# Altium PCB e-VEREST.PcbDoc (part 2 of 3)
Units mm, origin at the board's own origin, x right, y up, seen from the top; angles counter-clockwise.
Board outline 40 x 16 mm, 6 copper layers (Top Layer, InLayer1 (GND), InLayer2 (Signal), InLayer3 (PWR), InLayer4 (GND), Bottom Layer), stack 1.567 mm thick; 132 components, 181 nets, 912 pads, 411 vias.
Unrouted connection lines stored in the file: 2.
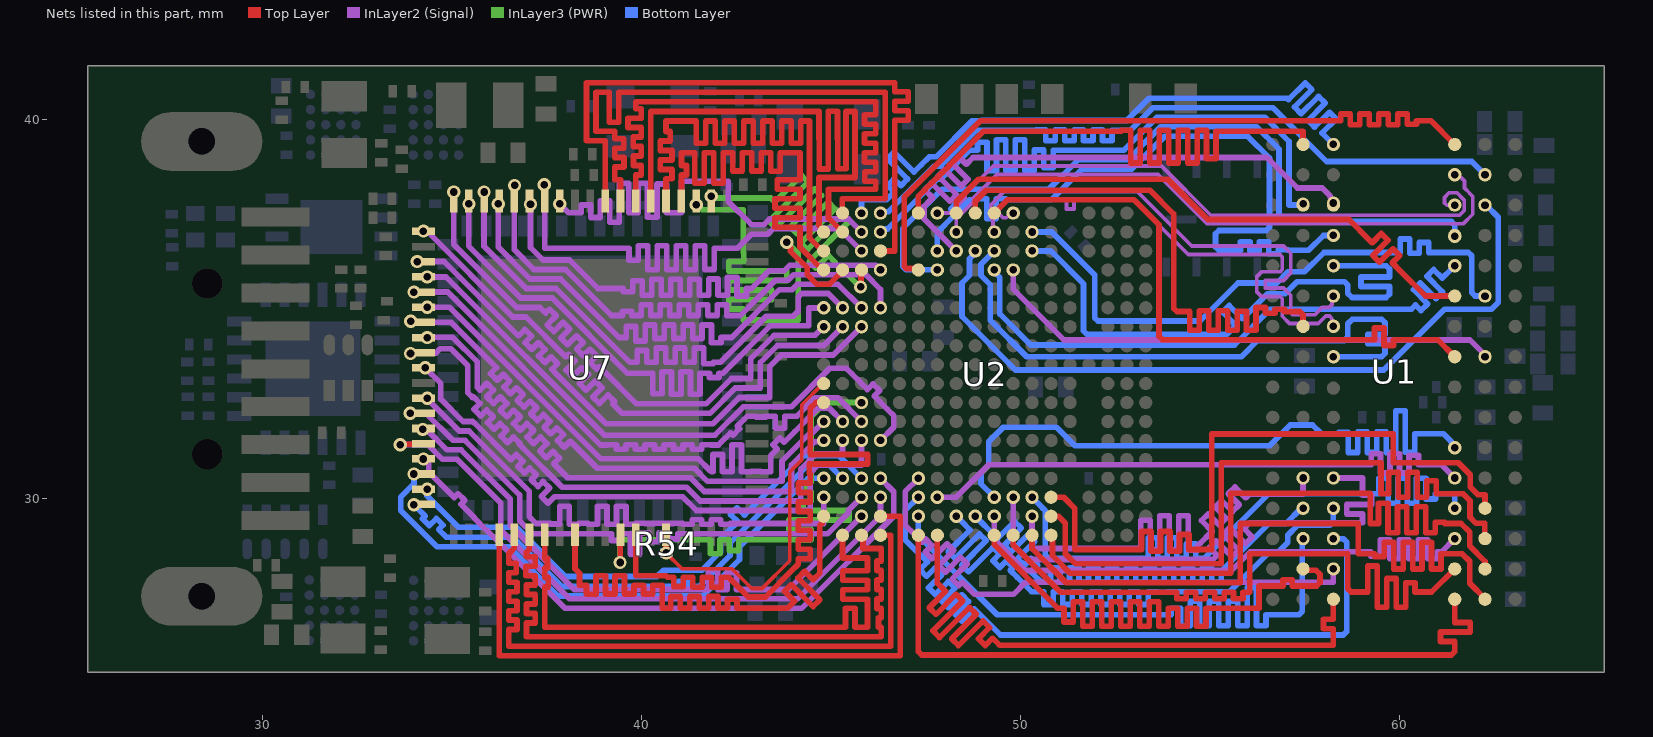
[diagram p6: the nets of this part, all layers, seen from the top]

## Via types
v1: diameter 0.35/0.2/0.2/0.2/0.2/0.35 (per signal layer), hole 0.2, Top Layer to Bottom Layer, tented both sides, 112 vias
v2: diameter 0.35/0.2/0.35/0.2/0.2/0.2 (per signal layer), hole 0.2, Top Layer to Bottom Layer, tented both sides, 80 vias
v3: diameter 0.35/0.2/0.35/0.35/0.2/0.35 (per signal layer), hole 0.2, Top Layer to Bottom Layer, tented both sides, 53 vias
v4: diameter 0.35/0.2/0.2/0.35/0.2/0.35 (per signal layer), hole 0.2, Top Layer to Bottom Layer, tented both sides, 41 vias
v5: diameter 0.35/0.2/0.2/0.35/0.2/0.2 (per signal layer), hole 0.2, Top Layer to Bottom Layer, tented both sides, 37 vias
v6: diameter 0.35/0.2/0.35/0.2/0.2/0.35 (per signal layer), hole 0.2, Top Layer to Bottom Layer, tented both sides, 20 vias
v7: diameter 0.35/0.2/0.35/0.35/0.2/0.2 (per signal layer), hole 0.2, Top Layer to Bottom Layer, tented both sides, 13 vias
v8: diameter 0.35/0.2/0.2/0.2/0.2/0.2 (per signal layer), hole 0.2, Top Layer to Bottom Layer, tented both sides, 7 vias
v9: diameter 0.2/0.2/0.2/0.35/0.2/0.35 (per signal layer), hole 0.2, Top Layer to Bottom Layer, tented both sides, 7 vias
v10: diameter 0.35/0.35/0.2/0.2/0.2/0.2 (per signal layer), hole 0.2, Top Layer to Bottom Layer, tented both sides, 6 vias
v11: diameter 0.35/0.2/0.2/0.2/0.35/0.35 (per signal layer), hole 0.2, Top Layer to Bottom Layer, tented both sides, 5 vias
v12: diameter 0.2/0.2/0.2/0.35/0.2/0.2 (per signal layer), hole 0.2, Top Layer to Bottom Layer, tented both sides, 5 vias
v13: diameter 0.35/0.2/0.2/0.2/0.35/0.2 (per signal layer), hole 0.2, Top Layer to Bottom Layer, tented both sides, 4 vias
v14: diameter 0.2/0.2/0.35/0.2/0.2/0.35 (per signal layer), hole 0.2, Top Layer to Bottom Layer, tented both sides, 3 vias
v15: diameter 0.35/0.2/0.35/0.2/0.35/0.35 (per signal layer), hole 0.2, Top Layer to Bottom Layer, tented both sides, 3 vias
v16: diameter 0.35/0.35/0.2/0.2/0.2/0.35 (per signal layer), hole 0.2, Top Layer to Bottom Layer, tented both sides, 3 vias
v17: diameter 0.2/0.35/0.2/0.2/0.2/0.2 (per signal layer), hole 0.2, Top Layer to Bottom Layer, tented both sides, 3 vias
v18: diameter 0.5/0.2/0.3/0.5/0.2/0.5 (per signal layer), hole 0.3, Top Layer to Bottom Layer, tented both sides, 3 vias
v19: diameter 0.45/0.45/0.3/0.45/0.45/0.45 (per signal layer), hole 0.3, Top Layer to Bottom Layer, tented both sides, 1 vias
v20: diameter 0.35/0.35/0.2/0.2/0.35/0.2 (per signal layer), hole 0.2, Top Layer to Bottom Layer, tented both sides, 1 vias
v21: diameter 0.35/0.2/0.35/0.2/0.35/0.2 (per signal layer), hole 0.2, Top Layer to Bottom Layer, tented both sides, 1 vias
v22: diameter 0.2/0.35/0.2/0.2/0.2/0.35 (per signal layer), hole 0.2, Top Layer to Bottom Layer, tented both sides, 1 vias
v23: diameter 0.2/0.2/0.2/0.2/0.2/0.2 (per signal layer), hole 0.2, Top Layer to Bottom Layer, tented both sides, 1 vias
v24: diameter 0.2/0.2/0.35/0.2/0.35/0.2 (per signal layer), hole 0.2, Top Layer to Bottom Layer, tented both sides, 1 vias

## Nets (pads, with @x,y where several pads share a name; then routed paths per layer and width w, separated by ;. In a path a pad name is that pad's centre, name@x,y a point inside that pad or via, vN(x,y) a via of type N, cw(c..) or ccw(c..) an arc to the next point about the centre after c; other vN are vias at no path point) (continued)
DMU: U1.D3 U2.G16 | length 20.1
  Bottom Layer w0.15: v1(47.81,36.52) 47.81,37.015 48.238,37.442 48.291,37.496 48.16,37.626 48.337,37.803 48.467,37.672 48.572,37.777 48.665,37.87 48.788,37.87 48.863,37.87 48.863,37.9 49.113,37.9 49.113,37.37 49.363,37.37 49.363,37.9 49.613,37.9 49.613,37.87 49.744,37.87 50.824,37.87 51.634,38.681 52.942,38.681 53.809,39.548 55.998,39.548 56.573,38.972 56.573,37.148 56.485,37.06 55.238,37.06 55.15,36.972 55.15,36.626 55.238,36.538 55.733,36.538 55.808,36.538 55.808,36.76 56.058,36.76 56.058,36.525 56.308,36.525 56.308,36.76 56.558,36.76 56.558,36.448 56.808,36.448 56.808,36.55 57.058,36.55 57.058,36.538 57.465,36.538 57.605,36.538 57.995,36.929 v1(58.26,36.93) v1(58.26,36.93)
DQSL_N: U1.G3 U2.L18 | length 13.7
  InLayer2 (Signal) w0.1: v2(49.81,37.52) 49.75,37.52 49.626,37.396 49.544,37.396 49.442,37.498 49.442,37.56 49.442,37.642 49.66,37.86 50.968,37.86 51.218,37.86 51.218,37.627 51.418,37.627 51.418,37.86 51.58,37.86 52.993,37.86 54.43,36.423 56.85,36.423 56.872,36.401 56.908,36.365 56.908,36.285 56.908,36.027 56.85,35.969 56.367,35.969 56.235,35.837 56.235,35.45 56.367,35.319 56.85,35.319 56.908,35.26 56.908,35.144 56.908,34.799 57.099,34.609 57.862,34.609 58.057,34.803 58.156,34.803 58.215,34.745 58.215,34.575 v2(58.26,34.53)
DQSL_P: U1.F3 U2.K17 | length 13.6
  InLayer2 (Signal) w0.1: v2(49.31,37.02) 49.277,37.053 49.277,37.345 49.217,37.404 49.217,37.736 49.567,38.085 53.086,38.085 54.523,36.648 55.437,36.648 55.487,36.648 ; 55.487,36.649 55.687,36.649 ; 55.687,36.648 56.762,36.648 56.943,36.648 57.133,36.458 57.133,36.401 57.133,36.285 57.133,35.934 56.943,35.744 56.46,35.744 56.46,35.544 56.943,35.544 57.133,35.353 57.133,35.144 57.133,34.892 57.192,34.834 57.769,34.834 57.963,35.028 58.142,35.028 58.222,35.108 58.222,35.292 v2(58.26,35.33)
DQSU_N: U1.B7 U2.H17 | length 16.5
  InLayer2 (Signal) w0.1: v2(48.31,37.02) 48.31,37.361 48.767,37.818 48.767,37.922 49.38,38.535 53.63,38.535 54.93,37.235 58.707,37.235 60.201,37.235 61.682,37.235 61.935,37.488 61.935,37.959 61.856,38.037 61.856,38.044 61.723,38.177 61.723,38.364 61.638,38.449 61.609,38.449 61.528,38.53 v2(61.46,38.53)
DQSU_P: U1.C7 U2.G18 | length 16.4
  InLayer2 (Signal) w0.1: v2(47.81,37.52) 48.151,37.52 48.542,37.911 48.542,38.015 49.287,38.76 53.723,38.76 55.023,37.46 58.707,37.46 60.201,37.46 61.589,37.46 61.71,37.581 61.71,37.865 61.52,38.055 61.313,38.055 61.19,37.932 ; 61.19,37.93 61.19,37.789 61.251,37.727 61.457,37.727 v2(61.46,37.73)
DRAM_A0: U1.N3 U2.H2 | length 20.2
  Bottom Layer w0.15: v1(48.31,29.52) 48.444,29.386 48.674,29.156 48.1,28.583 48.276,28.406 48.924,29.053 49.1,28.876 48.453,28.229 48.63,28.052 49.277,28.699 49.454,28.523 49.278,28.347 49.455,28.17 49.631,28.346 49.807,28.169 49.732,28.093 49.908,27.916 49.911,27.919 50.109,27.721 50.297,27.533 50.302,27.528 50.372,27.528 50.622,27.528 50.622,27.19 50.872,27.19 50.872,27.528 51.122,27.528 51.122,27.19 51.372,27.19 51.372,27.528 51.622,27.528 51.622,27.19 51.872,27.19 51.872,27.528 52.122,27.528 52.122,27.19 52.372,27.19 52.372,27.528 52.622,27.528 52.622,27.19 52.872,27.19 52.872,27.528 53.122,27.528 53.122,27.19 53.372,27.19 53.372,27.528 53.622,27.528 53.622,27.518 53.872,27.518 53.872,27.528 54.061,27.528 55.518,27.528 56.57,28.58 56.805,28.58 57.054,28.829 57.054,29.019 57.315,29.28 58.172,29.28 58.26,29.368 v1(58.26,29.73)
DRAM_A1: U1.P7 U2.K2 | length 16.7
  InLayer2 (Signal) w0.15: v6(49.31,29.52) 49.31,28.9 50.12,28.09 55.574,28.09 56.064,28.58 58.82,28.58 59.247,28.58 59.247,28.464 59.497,28.464 59.497,28.9 59.747,28.9 59.747,28.402 59.997,28.402 59.997,28.9 60.247,28.9 60.247,28.402 60.497,28.402 60.497,28.9 60.747,28.9 60.747,28.402 60.997,28.402 60.997,28.58 61.072,28.58 61.11,28.58 v2(61.46,28.93)
DRAM_A2: U1.P3 U2.F3 | length 20.2
  Bottom Layer w0.15: v1(47.31,30.02) 46.96,29.67 46.96,29.665 46.96,28.9 47.202,28.658 47.55,28.31 47.35,28.111 47.526,27.934 47.748,28.155 47.925,27.979 47.579,27.633 47.755,27.456 48.101,27.802 48.278,27.625 47.932,27.279 48.109,27.102 48.455,27.448 48.632,27.271 48.286,26.925 48.463,26.749 48.787,27.073 48.84,27.02 49.475,26.385 58.522,26.385 58.61,26.472 58.61,28.839 58.522,28.926 58.264,28.926 v1(58.26,28.93)
DRAM_A3: U1.N2 U2.J2 | length 20.2
  Bottom Layer w0.15: v1(48.81,29.52) 49.344,28.986 49.398,28.932 49.85,29.385 50.027,29.208 49.574,28.756 49.751,28.579 50.203,29.031 50.38,28.855 49.928,28.402 50.105,28.225 50.283,28.404 50.46,28.227 50.281,28.049 50.351,27.979 50.552,27.778 50.722,27.778 50.797,27.778 50.797,28.157 51.047,28.157 51.047,27.778 51.297,27.778 51.297,28.157 51.547,28.157 51.547,27.778 51.797,27.778 51.797,28.157 52.047,28.157 52.047,27.778 52.297,27.778 52.297,28.157 52.547,28.157 52.547,27.778 52.797,27.778 52.797,28.157 53.047,28.157 53.047,27.778 53.297,27.778 53.297,28.157 53.547,28.157 53.547,27.778 53.797,27.778 53.797,28.157 54.047,28.157 54.047,27.778 54.297,27.778 54.297,28.157 54.547,28.157 54.547,27.778 54.797,27.778 54.797,28.157 55.047,28.157 55.047,27.778 55.297,27.778 55.297,28.065 55.323,28.091 55.398,28.166 56.562,29.33 57.011,29.33 57.411,29.73 v1(57.46,29.73)
DRAM_A4: U1.P8 U2.N2 | length 20.3
  Top Layer w0.15: U2.N2@50.81,29.52 51.008,29.52 51.187,29.341 51.187,28.53 51.453,28.264 55.299,28.264 55.299,30.935 59.514,30.935 59.514,30.113 59.646,30.113 59.721,30.113 59.721,30.68 59.971,30.68 59.971,30.018 60.221,30.018 60.221,30.68 60.471,30.68 60.471,30.018 60.721,30.018 60.721,30.457 60.971,30.457 60.971,30.113 61.484,30.113 61.683,30.113 61.865,29.931 61.865,29.493 62.025,29.333 62.251,29.333 62.251,28.939 U1.P8@62.26,28.93
DRAM_A5: U1.P2 U2.F2 | length 20.2
  Bottom Layer w0.15: v1(47.31,29.52) 47.31,29.003 49.393,26.92 53.584,26.92 53.983,26.92 53.983,27.09 54.233,27.09 54.233,26.635 54.483,26.635 54.483,27.278 54.733,27.278 54.733,26.635 54.983,26.635 54.983,27.278 55.233,27.278 55.233,26.635 55.483,26.635 55.483,27.278 55.733,27.278 55.733,26.635 55.983,26.635 55.983,27.639 56.233,27.639 56.233,26.635 56.483,26.635 56.483,26.92 56.558,26.92 57.348,26.92 57.436,27.008 57.436,28.856 v1@57.485,28.905
  other v1: 57.46,28.93
DRAM_A6: U1.R8 U2.N1 | length 20.3
  Top Layer w0.15: U2.N1@50.81,29.02 50.848,28.982 50.848,28.483 51.317,28.014 55.549,28.014 55.549,30.126 59.23,30.126 59.23,29.331 59.374,29.331 59.449,29.331 59.449,29.863 59.699,29.863 59.699,29.082 59.949,29.082 59.949,29.768 60.199,29.768 60.199,29.082 60.449,29.082 60.449,29.768 60.699,29.768 60.699,29.082 60.949,29.082 60.949,29.361 61.199,29.361 61.199,29.331 61.448,29.331 61.628,29.331 61.856,29.102 61.856,28.734 62.26,28.33 U1.R8@62.26,28.13
DRAM_A7: U1.R2 U2.K1 | length 20.3
  Top Layer w0.15: U2.K1@49.31,29.02 49.31,28.77 50.983,27.098 50.983,27.09 51.064,27.09 51.15,27.09 51.15,26.728 51.4,26.728 51.4,27.264 51.65,27.264 51.65,26.62 51.9,26.62 51.9,27.264 52.15,27.264 52.15,26.62 52.4,26.62 52.4,27.264 52.65,27.264 52.65,26.62 52.9,26.62 52.9,27.264 53.15,27.264 53.15,26.62 53.4,26.62 53.4,27.264 53.65,27.264 53.65,26.62 53.9,26.62 53.9,27.09 54.15,27.09 54.15,26.62 54.4,26.62 54.4,27.09 54.65,27.09 54.65,26.62 54.9,26.62 54.9,27.09 54.975,27.09 56.299,27.09 56.299,27.681 56.853,27.681 56.928,27.681 56.928,27.846 57.178,27.846 57.178,27.681 57.325,27.681 57.817,27.681 57.905,27.769 57.905,27.99 57.803,28.092 57.498,28.092 U1.R2@57.46,28.13
DRAM_A8: U1.T8 U2.M1 | length 20.3
  Top Layer w0.15: U2.M1@50.31,29.02 50.31,28.666 51.213,27.764 55.799,27.764 55.799,29.33 58.914,29.33 58.914,28.527 59.168,28.527 59.35,28.527 59.35,28.459 59.6,28.459 59.6,28.832 59.85,28.832 59.85,28.128 60.1,28.128 60.1,28.832 60.35,28.832 60.35,28.128 60.6,28.128 60.6,28.832 60.85,28.832 60.85,28.128 61.1,28.128 61.1,28.527 61.175,28.527 61.66,28.527 61.856,28.331 61.856,27.754 62.26,27.35 U1.T8@62.26,27.33
DRAM_A9: U1.R3 U2.F4 | length 16.7
  Top Layer w0.15: U1.R3@58.24,28.13 v2(58.26,28.13)
  InLayer2 (Signal) w0.15: v2(47.31,30.52) 46.96,30.17 46.96,29.29 47.115,29.135 47.407,28.843 47.493,28.928 47.67,28.752 47.492,28.574 47.669,28.397 48.068,28.796 48.245,28.619 47.846,28.22 48.023,28.043 48.421,28.442 48.598,28.266 48.199,27.867 48.376,27.69 48.468,27.782 48.521,27.729 48.791,27.459 49.819,27.459 50.14,27.78 58.26,27.78 v2(58.26,28.13)
DRAM_A10: U1.L7 U2.K3 | length 20.3
  Top Layer w0.1: v1(61.46,31.33) U1.L7@61.473,31.33
  Bottom Layer w0.15: v1(49.31,30.02) 49.31,30.025 48.96,30.375 48.96,30.665 49.163,30.868 49.163,31.484 49.549,31.87 50.955,31.87 51.445,31.38 56.57,31.38 57.12,31.93 57.709,31.93 57.939,31.7 58.328,31.7 58.403,31.7 58.403,31.739 58.653,31.739 58.653,31.202 58.903,31.202 58.903,31.742 59.153,31.742 59.153,31.202 59.403,31.202 59.403,31.742 59.653,31.742 59.653,31.202 59.903,31.202 59.903,32.303 60.153,32.303 60.153,31.21 60.403,31.21 60.403,31.7 60.648,31.7 61.158,31.7 61.361,31.497 61.361,31.483 61.46,31.384 v1(61.46,31.33)
DRAM_A11: U1.R7 U2.L1 | length 20.2
  Top Layer w0.15: U2.L1@49.81,29.02 49.81,28.766 51.063,27.514 53.765,27.514 53.775,27.514 54.127,27.514 54.127,27.34 54.377,27.34 54.377,27.514 54.627,27.514 54.627,27.34 54.877,27.34 54.877,27.514 55.127,27.514 55.127,27.34 55.377,27.34 55.377,27.514 55.627,27.514 55.627,27.34 55.877,27.34 55.877,27.514 55.952,27.514 56.049,27.514 56.049,28.531 58.637,28.531 58.637,27.608 58.724,27.52 59.09,27.52 59.165,27.52 59.165,28.209 59.415,28.209 59.415,27.115 59.665,27.115 59.665,27.878 59.915,27.878 59.915,27.115 60.165,27.115 60.165,27.767 60.415,27.767 60.415,27.52 60.827,27.52 60.85,27.52 U1.R7@61.46,28.13
DRAM_A12: U1.N7 U2.M3 | length 20.2
  Bottom Layer w0.15: v1(50.31,30.02) 50.58,29.75 50.58,29.745 50.66,29.665 50.66,28.495 50.748,28.407 53.3,28.407 53.375,28.407 53.375,28.949 53.625,28.949 53.625,28.407 53.875,28.407 53.875,28.949 54.125,28.949 54.125,28.407 54.375,28.407 54.375,28.788 54.625,28.788 54.625,28.407 54.842,28.407 55.073,28.638 56.545,30.11 59.38,30.11 59.455,30.11 59.455,30.522 59.705,30.522 59.705,29.862 59.955,29.862 59.955,30.522 60.205,30.522 60.205,29.862 60.455,29.862 60.455,30.522 60.705,30.522 60.705,29.976 60.955,29.976 60.955,30.11 61.07,30.11 61.46,30.11 v1(61.46,29.73)
DRAM_A13: U1.T3 U2.G1 | length 20.2
  Top Layer w0.15: U2.G1@47.81,29.02 47.81,27.76 47.887,27.683 48.029,27.541 47.595,27.108 47.772,26.931 48.305,27.465 48.482,27.288 47.691,26.497 47.868,26.32 48.659,27.111 48.836,26.934 48.188,26.287 48.365,26.11 49.012,26.757 49.189,26.581 48.895,26.287 49.072,26.11 49.266,26.304 49.319,26.251 49.45,26.12 58.26,26.12 58.26,26.474 58.26,26.549 57.999,26.549 57.999,26.799 58.26,26.799 58.26,27.01 U1.T3@58.26,27.33
DRAM_A14: U1.T7 U2.F1 | length 20.2
  Top Layer w0.15: U2.F1@47.31,29.02 47.31,25.948 47.398,25.86 61.372,25.86 61.425,25.913 61.46,25.948 61.46,26.215 61.085,26.215 61.085,26.465 61.87,26.465 61.87,26.715 61.46,26.715 61.46,27.29 U1.T7@61.46,27.33
DRAM_A15: U1.M7 U2.G3 | length 16.7
  InLayer2 (Signal) w0.15: v2(47.81,30.02) 48.305,30.02 49.165,30.88 59.18,30.88 59.255,30.88 59.255,31.165 59.505,31.165 59.505,30.66 59.755,30.66 59.755,31.165 60.005,31.165 60.005,30.66 60.255,30.66 60.255,31.132 60.505,31.132 60.505,30.88 60.85,30.88 61.11,30.88 v2(61.46,30.53)
DRAM_BA0: U1.M2 U2.M2 | length 16.7
  InLayer2 (Signal) w0.15: v2(50.31,29.52) 50.31,28.67 52.81,28.67 53.177,28.67 53.177,29.412 53.427,29.412 53.427,28.63 53.677,28.63 53.677,29.531 53.927,29.531 53.927,28.63 54.177,28.63 54.177,29.531 54.427,29.531 54.427,28.63 54.677,28.63 54.677,28.74 54.752,28.815 55.009,29.071 55.062,29.124 54.78,29.406 54.956,29.583 55.248,29.292 55.424,29.468 55.133,29.76 55.31,29.936 55.601,29.645 55.778,29.822 55.487,30.113 55.663,30.29 55.946,30.008 56.04,30.102 56.127,30.102 57.46,30.102 v2(57.46,30.53)
DRAM_BA1: U1.N8 U2.N3 | length 20.2
  Top Layer w0.15: U2.N3@50.81,30.02 51.145,30.02 51.437,29.728 51.437,28.643 53.123,28.643 53.199,28.643 53.199,29.118 53.449,29.118 53.449,28.596 53.699,28.596 53.699,29.118 53.949,29.118 53.949,28.596 54.199,28.596 54.199,29.041 54.449,29.041 54.449,28.643 54.99,28.643 55.049,28.643 55.049,31.69 59.837,31.69 59.837,30.93 61.555,30.93 61.87,30.615 61.87,30.29 62.07,30.09 62.26,30.09 U1.N8@62.26,29.73
DRAM_BA2: U1.M3 U2.L3 | length 16.7
  InLayer2 (Signal) w0.15: v2@49.8,30.01 v2(49.81,30.02) 49.81,28.77 50.2,28.38 55.08,28.38 55.095,28.395 55.192,28.492 54.987,28.696 55.164,28.873 55.583,28.453 55.76,28.63 55.35,29.04 55.527,29.217 55.944,28.8 56.121,28.976 55.899,29.199 55.952,29.252 56.05,29.35 59.03,29.35 59.03,29.503 59.03,29.578 58.61,29.578 58.61,29.828 59.272,29.828 59.272,30.078 59.03,30.078 59.03,30.372 59.03,30.53 58.337,30.53 v2@58.298,30.492
  other v2: 58.26,30.53
DRAM_DL0: U1.F7 U2.H18 | length 16.7
  Top Layer w0.15: U2.H18@48.31,37.52 48.31,37.82 48.9,38.41 53.89,38.41 54.88,37.42 54.951,37.349 58.671,37.349 59.23,36.79 59.283,36.737 59.525,36.979 59.701,36.802 59.299,36.399 59.476,36.223 59.832,36.579 60.009,36.402 59.813,36.207 60.047,35.973 60.69,35.33 U1.F7@61.46,35.33
DRAM_DL1: U1.G2 U2.J18 | length 16.7
  Top Layer w0.15: U2.J18@48.81,37.52 48.81,37.83 49.1,38.12 53.423,38.12 54.045,37.498 54.045,35.008 54.057,34.997 54.133,34.92 54.22,34.92 54.47,34.92 54.47,34.43 54.72,34.43 54.72,34.945 54.97,34.945 54.97,34.43 55.22,34.43 55.22,34.945 55.47,34.945 55.47,34.43 55.72,34.43 55.72,34.93 55.97,34.93 55.97,34.43 56.22,34.43 56.22,35.026 56.47,35.026 56.47,34.88 56.72,34.88 56.72,34.98 56.97,34.98 56.97,34.917 57.22,34.917 57.22,34.92 57.372,34.92 57.454,34.838 57.46,34.832 U1.G2@57.46,34.53
DRAM_DL2: U1.E7 U2.K15 | length 16.7
  Bottom Layer w0.15: v1(49.31,36.02) 49.31,35.966 49.46,35.816 49.46,34.854 50.276,34.037 55.648,34.037 56.591,34.98 60.31,34.98 60.321,34.991 60.425,35.095 60.573,34.947 60.75,35.124 60.375,35.499 60.552,35.675 60.965,35.262 61.142,35.439 60.729,35.852 60.905,36.029 61.132,35.802 61.362,36.032 v1(61.46,36.13)
DRAM_DL3: U1.F8 U2.M17 | length 16.7
  Bottom Layer w0.15: v1(50.31,37.02) 50.83,37.02 51.962,35.888 51.962,35.667 51.96,35.665 51.96,34.758 52.048,34.67 54.74,34.67 55.745,35.675 56.769,35.675 57.064,35.97 57.498,35.97 58.008,36.48 59.948,36.48 60.023,36.48 60.023,36.833 60.273,36.833 60.273,36.457 60.523,36.457 60.523,36.744 60.773,36.744 60.773,36.48 61.14,36.48 61.822,36.48 61.91,36.392 61.91,35.421 61.998,35.334 62.256,35.334 v1(62.26,35.33)
DRAM_DL4: U1.H3 U2.K16 | length 16.7
  Bottom Layer w0.15: v1(49.31,36.52) 48.96,36.17 48.96,35.875 49.21,35.625 49.21,34.687 50.168,33.729 55.832,33.729 56.261,34.158 58.552,34.158 58.64,34.245 58.64,34.6 58.76,34.72 59.532,34.72 59.62,34.632 59.62,34.602 59.62,34.325 59.163,34.325 59.163,34.075 59.62,34.075 59.62,34 59.62,33.818 59.532,33.73 v1(58.26,33.73)
DRAM_DL5: U1.H8 U2.L15 | length 13.7
  InLayer2 (Signal) w0.15: v2(49.81,36.02) 49.81,35.514 50.332,34.992 50.772,34.552 51.154,34.171 61.86,34.171 62.26,33.771 v2(62.26,33.73)
DRAM_DL6: U1.E3 U2.M16 | length 16.7
  Bottom Layer w0.15: v1(50.31,36.52) 50.805,36.52 51.66,35.665 51.66,35.654 51.668,35.646 51.668,34.412 51.755,34.324 55.454,34.324 55.631,34.502 55.684,34.555 55.331,34.908 55.508,35.085 55.861,34.731 56.065,34.935 56.52,35.39 56.986,35.39 57.306,35.71 58.553,35.71 58.641,35.622 58.641,35.399 58.749,35.291 59.652,35.291 59.74,35.379 59.74,35.506 59.74,35.581 58.99,35.581 58.99,35.831 59.74,35.831 59.74,36.001 59.74,36.042 59.652,36.13 v1(58.26,36.13)
DRAM_DL7: U1.H7 U2.K18 | length 16.7
  Top Layer w0.15: U2.K18@49.31,37.52 49.66,37.87 53,37.87 53.66,37.21 53.66,36.875 53.66,34.268 53.748,34.18 59.27,34.18 59.345,34.18 59.345,34.487 59.595,34.487 59.595,34.023 59.845,34.023 59.845,34.18 60.042,34.18 61.01,34.18 U1.H7@61.46,33.73
DRAM_DU0: U1.D7 U2.G15 | length 20.1
  Bottom Layer w0.15: v1(47.81,36.02) 46.982,36.02 46.894,36.108 46.894,37.113 47.931,38.15 50.75,38.15 51.531,38.931 52.838,38.931 53.705,39.798 56.231,39.798 56.823,39.206 56.823,37.384 56.911,37.296 61.374,37.296 61.462,37.208 v1(61.462,36.91)
DRAM_DU1: U1.C3 U2.H16 | length 16.6
  InLayer2 (Signal) w0.15: v2(48.31,36.52) 47.46,37.37 47.46,37.695 47.637,37.872 47.69,37.925 47.476,38.14 47.652,38.317 48.141,37.829 48.317,38.006 47.829,38.494 48.006,38.671 48.443,38.234 48.62,38.411 48.215,38.815 48.392,38.992 48.574,38.809 48.75,38.985 48.799,38.985 56.505,38.985 57.31,38.18 57.968,38.18 58.179,37.969 58.179,37.921 58.26,37.839 v2(58.26,37.785)
DRAM_DU2: U1.C8 U2.J16 | length 20.1
  Bottom Layer w0.15: v1(48.81,36.52) 48.81,36.466 48.66,36.316 48.66,35.875 48.46,35.675 48.46,35.44 48.46,34.79 49.87,33.38 59.59,33.38 61.19,34.98 62.429,34.98 62.61,35.161 62.61,37.408 62.288,37.73 v1(62.26,37.73)
DRAM_DU3: U1.C2 U2.D17 | length 20
  Bottom Layer w0.15: v1(46.31,37.02) 46.364,37.02 46.444,37.099 46.496,37.099 47.817,38.42 47.906,38.42 48.667,39.181 48.794,39.181 48.869,39.181 48.869,39.387 49.119,39.387 49.119,38.638 49.369,38.638 49.369,39.454 49.619,39.454 49.619,38.638 49.869,38.638 49.869,39.454 50.119,39.454 50.119,38.638 50.369,38.638 50.369,39.186 50.619,39.186 50.619,38.718 50.869,38.718 50.869,39.181 51.141,39.181 52.734,39.181 53.602,40.048 56.453,40.048 57.09,39.411 57.09,37.73 v1@57.46,37.73
  other v1: 57.46,37.76
DRAM_DU4: U1.A7 U2.F15 | length 20.1
  Top Layer w0.15: U2.F15@47.31,36.02 47.272,36.058 46.986,36.058 46.937,36.108 46.937,37.363 46.935,37.365 46.935,37.943 48.947,39.955 58.379,39.955 58.454,39.955 58.454,40.133 58.704,40.133 58.704,39.851 58.954,39.851 58.954,40.133 59.204,40.133 59.204,39.851 59.454,39.851 59.454,40.133 59.704,40.133 59.704,39.851 59.954,39.851 59.954,40.133 60.204,40.133 60.204,39.866 60.454,39.866 60.454,39.955 60.6,39.955 60.832,39.955 61.457,39.33 U1.A7@61.46,39.33
DRAM_DU5: U1.A2 U2.F18 | length 20.1
  Top Layer w0.15: U2.F18@47.31,37.52 47.31,37.964 47.713,38.367 47.766,38.42 47.943,38.597 47.95,38.59 48.127,38.766 48.119,38.774 48.353,39.007 49.026,39.68 52.589,39.68 52.664,39.68 52.664,39.705 52.914,39.705 52.914,38.841 53.164,38.841 53.164,39.705 53.414,39.705 53.414,38.841 53.664,38.841 53.664,39.705 53.914,39.705 53.914,38.841 54.164,38.841 54.164,39.705 54.414,39.705 54.414,38.841 54.664,38.841 54.664,39.705 54.914,39.705 54.914,38.952 55.164,38.952 55.164,39.68 55.662,39.68 57.46,39.68 U1.A2@57.46,39.33
DRAM_DU6: U1.B8 U2.D18 | length 20.1
  Bottom Layer w0.15: v1(46.31,37.52) 46.348,37.558 46.521,37.558 47.714,38.752 47.88,38.752 48.833,39.704 50.344,39.704 50.419,39.704 50.419,39.713 50.669,39.713 50.669,39.431 50.919,39.431 50.919,39.713 51.169,39.713 51.169,39.431 51.419,39.431 51.419,39.713 51.669,39.713 51.669,39.431 51.919,39.431 51.919,39.713 52.169,39.713 52.169,39.431 52.419,39.431 52.419,39.704 52.67,39.704 52.905,39.704 53.498,40.298 56.663,40.298 58.081,38.88 61.91,38.88 v1(62.26,38.53)
DRAM_DU7: U1.A3 U2.C18 | length 20.1
  Bottom Layer w0.15: v1(45.81,37.52) 45.81,37.87 46.464,37.87 46.612,38.018 46.665,38.071 46.491,38.245 46.668,38.422 46.849,38.24 47.026,38.417 46.491,38.952 46.668,39.129 47.195,38.601 47.378,38.784 47.595,39.002 47.777,39.002 48.73,39.954 48.971,39.954 48.98,39.963 52.809,39.963 53.395,40.548 57.004,40.548 57.042,40.548 57.076,40.514 57.515,40.953 57.692,40.776 57.233,40.317 57.41,40.14 57.869,40.599 58.046,40.422 57.586,39.963 57.763,39.786 58.158,40.182 58.335,40.005 57.96,39.63 58.209,39.381 v1(58.26,39.33)
FT_BE0: U2.D2 U7.4 | length 18
  Top Layer w0.15: U7.4@36.26,29.025 U7.4@36.25,29.035 36.25,25.84 46.832,25.84 46.832,29.52 U2.D2@46.31,29.52
FT_BE1: U2.D1 U7.5 | length 18
  Top Layer w0.15: U7.5@36.65,29.035 36.643,29.028 36.643,28.673 36.594,28.624 36.5,28.53 36.5,28.281 36.699,28.281 36.699,28.031 36.5,28.031 36.5,27.781 36.718,27.781 36.718,27.531 36.5,27.531 36.5,27.281 36.718,27.281 36.718,27.031 36.5,27.031 36.5,26.781 36.718,26.781 36.718,26.531 36.5,26.531 36.5,26.206 36.5,26.09 46.582,26.09 46.582,29.02 U2.D1@46.31,29.02
FT_BE2: U2.C1 U7.6 | length 18
  Top Layer w0.15: U7.6@37.05,29.035 37.043,29.028 37.043,28.643 37.008,28.608 36.968,28.568 36.968,28.454 37.2,28.454 37.2,28.204 36.949,28.204 36.949,27.954 37.2,27.954 37.2,27.704 36.968,27.704 36.968,27.454 37.2,27.454 37.2,27.204 36.968,27.204 36.968,26.954 37.2,26.954 37.2,26.704 36.968,26.704 36.968,26.379 36.968,26.34 46.332,26.34 46.332,26.352 46.332,26.588 46.258,26.588 46.258,26.838 46.332,26.838 46.332,27.088 46.216,27.088 46.216,27.338 46.332,27.338 46.332,27.588 46.216,27.588 46.216,27.838 46.332,27.838 46.332,28.088 46.216,28.088 46.216,28.338 46.332,28.338 46.332,28.663 46.332,28.67 45.848,28.67 45.848,28.982 U2.C1@45.81,29.02
FT_BE3: U2.B1 U7.7 | length 18
  Top Layer w0.15: U7.7@37.45,29.035 37.45,28.707 37.45,28.404 37.526,28.404 37.526,28.154 37.45,28.154 37.45,27.904 37.545,27.904 37.545,27.654 37.45,27.654 37.45,27.329 37.45,26.59 44.96,26.59 45.388,26.59 45.388,27.091 45.638,27.091 45.638,26.59 45.963,26.59 45.966,26.59 45.966,27.092 45.966,27.33 45.315,27.33 45.315,27.58 45.966,27.58 45.966,27.83 45.315,27.83 45.315,28.08 45.966,28.08 45.966,28.405 45.966,28.42 45.31,28.42 U2.B1@45.31,29.02
FT_CLK: U2.B12 U7.58 | length 16.6
  Top Layer w0.15: U7.58@34.25,37.035 U7.58@34.254,37.039
  InLayer2 (Signal) w0.15: v2(34.25,37.045) 34.342,37.045 36.609,34.778 36.953,34.778 37.953,33.778 38.006,33.725 38.076,33.796 38.253,33.619 38.011,33.377 38.187,33.2 38.43,33.442 38.606,33.265 38.364,33.023 38.541,32.846 38.783,33.089 38.96,32.912 38.718,32.669 38.894,32.493 39.121,32.719 39.298,32.542 39.243,32.488 39.399,32.332 39.496,32.235 41.809,32.235 42.48,32.905 43.14,32.905 43.14,33.576 43.588,34.025 44.815,34.025 v2(45.31,34.52)
FT_D0: U2.C15 U7.40 | length 16.2
  Top Layer w0.15: v5(45.785,35.57) 45.797,35.583 45.797,36.007 U2.C15@45.81,36.02
  InLayer3 (PWR) w0.15: v5@41.848,37.956 41.886,37.918 43.417,37.918 43.469,37.866 43.522,37.813 44.224,38.514 44.4,38.338 43.367,37.304 43.543,37.127 44.577,38.161 44.754,37.984 43.925,37.155 44.102,36.978 44.931,37.807 45.107,37.63 44.208,36.731 44.385,36.554 45.284,37.454 45.461,37.277 44.427,36.243 44.604,36.066 44.936,36.399 45.113,36.222 45.089,36.198 45.266,36.021 45.29,36.045 45.678,35.657 45.765,35.57 v5(45.785,35.57)
  other v5: 41.847,37.965
FT_D1: U2.B15 U7.41 | length 16.3
  Top Layer w0.15: v5@43.818,36.747 43.818,36.693 43.838,36.693 43.935,36.596 43.935,36.535 43.936,36.534 43.936,36.51 44.38,36.066 44.38,35.89 44.625,35.645 44.965,35.645 U2.B15@45.325,36.005
  InLayer3 (PWR) w0.15: v5(41.448,37.742) 41.475,37.742 41.607,37.61 42.69,37.61 42.69,36.565 42.69,36.49 42.7,36.49 42.7,36.24 42.303,36.24 42.303,35.99 43.835,35.99 43.835,35.74 42.303,35.74 42.303,35.49 43.44,35.49 43.44,35.24 42.303,35.24 42.303,34.99 42.69,34.99 42.69,34.787 42.69,34.7 44.14,34.7 44.14,36.445 v5(43.835,36.75)
FT_D2: U2.A15 U7.42 | length 18
  Top Layer w0.15: U7.42@41.05,37.835 41.058,37.835 41.058,38.2 41.058,38.525 41.194,38.525 41.194,38.775 41.058,38.775 41.058,38.998 41.058,39.113 41.087,39.113 41.412,39.113 41.412,38.31 41.662,38.31 41.662,39.113 41.912,39.113 41.912,38.31 42.162,38.31 42.162,39.113 42.412,39.113 42.412,38.628 42.662,38.628 42.662,39.113 42.912,39.113 42.912,38.628 43.162,38.628 43.162,39.113 43.412,39.113 43.412,38.62 43.662,38.62 43.662,39.113 44.171,39.113 44.185,39.113 44.185,38.721 44.185,38.646 44.185,38.396 43.582,38.396 43.582,38.146 44.185,38.146 44.185,37.896 43.528,37.896 43.528,37.646 44.185,37.646 44.185,37.396 43.525,37.396 43.525,37.146 44.185,37.146 44.185,36.896 44.185,36.615 44.21,36.59 44.78,36.02 U2.A15@44.81,36.02
FT_D3: U2.A16 U7.43 | length 18
  Top Layer w0.15: U7.43@40.65,37.835 40.65,38.096 40.65,38.421 40.808,38.421 40.808,38.671 40.5,38.671 40.5,38.921 40.808,38.921 40.808,39.171 40.5,39.171 40.5,39.421 40.766,39.421 40.766,39.671 40.65,39.671 40.65,39.869 40.65,39.95 41.127,39.95 41.452,39.95 41.452,39.363 41.702,39.363 41.702,39.95 41.952,39.95 41.952,39.363 42.202,39.363 42.202,39.95 42.452,39.95 42.452,39.363 42.702,39.363 42.702,39.95 42.952,39.95 42.952,39.363 43.202,39.363 43.202,39.95 43.452,39.95 43.452,39.363 43.702,39.363 43.702,39.95 43.952,39.95 43.952,39.363 44.202,39.363 44.202,39.95 44.34,39.95 44.435,39.95 44.435,36.865 44.78,36.52 U2.A16@44.81,36.52
FT_D4: U2.A17 U7.44 | length 18
  Top Layer w0.15: U7.44@40.25,37.835 40.25,40.2 44.688,40.2 44.69,38.682 44.934,38.682 44.932,40.207 45.176,40.207 45.178,38.69 45.401,38.69 45.401,40.199 45.639,40.199 45.639,38.46 44.69,38.46 44.69,37.194 44.81,37.074 U2.A17@44.81,37.02
FT_D5: U2.B17 U7.45 | length 18
  Top Layer w0.15: U7.45@39.85,37.835 39.85,38.2 39.85,38.525 40,38.525 40,38.775 39.793,38.775 39.793,39.025 40,39.025 40,39.275 39.783,39.275 39.783,39.525 40,39.525 40,39.775 39.65,39.775 39.65,40.025 40,40.025 40,40.275 39.85,40.275 39.85,40.422 39.85,40.457 46.185,40.457 46.185,40.436 46.185,40.111 45.889,40.111 45.889,39.861 46.185,39.861 46.185,39.611 45.889,39.611 45.889,39.361 46.185,39.361 46.185,39.111 45.889,39.111 45.889,38.861 46.185,38.861 46.185,38.611 45.893,38.611 45.893,38.361 46.185,38.361 46.185,38.154 46.185,38.15 44.94,38.15 44.94,37.39 U2.B17@45.31,37.02
FT_D6: U2.B18 U7.46 | length 18
  Top Layer w0.15: U7.46@39.45,37.835 39.45,38.399 39.301,38.399 39.3,38.4 39.3,38.409 39.3,38.734 39.543,38.734 39.543,38.984 39.3,38.984 39.3,39.234 39.533,39.234 39.533,39.484 39.3,39.484 39.3,39.655 39.3,39.68 38.804,39.68 38.804,40.707 38.825,40.707 39.15,40.707 39.15,39.919 39.4,39.919 39.4,40.707 39.983,40.707 46.435,40.707 46.435,37.9 45.304,37.9 45.304,37.54 U2.B18@45.297,37.533
FT_D7: U2.D16 U7.47 | length 18.1
  Top Layer w0.15: U7.47@39.05,37.76 U7.47@39.05,37.835 39.05,39.43 38.554,39.43 38.554,40.957 46.685,40.957 46.685,40.792 46.685,40.717 47.047,40.717 47.047,40.467 46.685,40.467 46.685,40.217 47.041,40.217 47.041,39.967 46.685,39.967 46.685,39.625 46.685,36.52 U2.D16@46.31,36.52
FT_D8: U2.C17 U7.50 | length 16.5
  InLayer2 (Signal) w0.15: v2(37.85,37.76) 38.08,37.53 38.34,37.53 38.415,37.53 38.415,37.731 38.665,37.731 38.665,37.402 38.915,37.402 38.915,37.841 39.165,37.841 39.165,37.279 39.415,37.279 39.415,38.306 39.665,38.306 39.665,37.53 39.915,37.53 39.915,38.306 40.165,38.306 40.165,37.41 40.415,37.41 40.415,38.289 40.665,38.289 40.665,37.53 41.052,37.53 41.06,37.538 41.06,38.361 42.291,38.361 42.291,37.83 42.906,37.215 43.236,37.215 43.383,37.361 45.469,37.361 v6(45.81,37.02)
FT_D9: U2.C16 U7.51 | length 16
  InLayer2 (Signal) w0.15: 37.45,38.075 37.45,36.59 38.885,36.59 39.672,36.59 39.672,36.272 39.922,36.272 39.922,36.659 40.172,36.659 40.172,36.027 40.422,36.027 40.422,36.659 40.672,36.659 40.672,36.027 40.922,36.027 40.922,36.659 41.172,36.659 41.172,36.027 41.422,36.027 41.422,36.659 41.672,36.659 41.672,36.029 41.922,36.029 41.922,36.59 41.94,36.59 41.997,36.59 42.535,36.59 42.905,36.96 43.335,36.96 43.486,37.111 45.214,37.111 45.805,36.52 v2(45.81,36.52)
  other v2: 37.435,38.264
FT_D10: U2.D15 U7.52 | length 16.5
  InLayer2 (Signal) w0.15: v2@37.075,37.74 37.075,36.611 37.406,36.28 38.104,36.28 38.854,35.53 39.038,35.53 39.525,35.53 39.525,35.442 39.775,35.442 39.775,35.737 40.025,35.737 40.025,35.347 40.275,35.347 40.275,35.777 40.525,35.777 40.525,35.347 40.775,35.347 40.775,35.777 41.025,35.777 41.025,35.347 41.275,35.347 41.275,35.777 41.525,35.777 41.525,35.347 41.775,35.347 41.775,35.779 42.025,35.779 42.025,35.347 42.275,35.347 42.275,35.83 42.525,35.83 42.525,35.333 42.775,35.333 42.775,35.53 42.903,35.53 43.373,36 43.774,36 43.919,36.145 46.185,36.145 v2(46.31,36.02)
  other v2: 37.075,37.75
FT_D11: U2.D13 U7.53 | length 16
  InLayer2 (Signal) w0.15: v2@36.65,38.075 36.65,36.55 37.17,36.03 38,36.03 39.214,34.816 39.263,34.816 39.501,34.816 39.501,34.927 39.751,34.927 39.751,34.816 40.001,34.816 40.001,35.097 40.251,35.097 40.251,34.816 40.501,34.816 40.501,35.097 40.751,35.097 40.751,34.816 41.001,34.816 41.001,35.097 41.251,35.097 41.251,34.816 41.501,34.816 41.501,35.097 41.751,35.097 41.751,34.816 42.001,34.816 42.001,35.097 42.251,35.097 42.251,34.816 42.576,34.816 42.612,34.816 43.1,35.304 43.546,35.75 43.878,35.75 44.023,35.895 44.255,35.895 45.92,35.895 46.31,35.505 v2(46.31,35.02)
  other v2: 36.655,38.249
FT_D12: U2.C13 U7.54 | length 16.4
  InLayer2 (Signal) w0.15: v2@36.25,37.76 36.225,37.735 36.225,36.621 37.066,35.78 37.87,35.78 39.413,34.237 39.603,34.237 39.603,34.526 39.853,34.526 39.853,34.146 40.103,34.146 40.103,34.566 40.353,34.566 40.353,34.211 40.603,34.211 40.603,34.566 40.853,34.566 40.853,34.211 41.103,34.211 41.103,34.566 41.353,34.566 41.353,34.211 41.603,34.211 41.603,34.566 41.853,34.566 41.853,34.1 42.103,34.1 42.103,34.237 42.178,34.237 42.386,34.237 43.649,35.5 43.981,35.5 44.126,35.645 45.18,35.645 45.805,35.02 v2(45.81,35.02)
  other v2: 36.225,37.76
FT_D13: U2.B13 U7.55 | length 16.3
  InLayer2 (Signal) w0.15: v2(35.85,38.075) 35.85,36.643 36.965,35.528 37.752,35.528 39.7,33.58 39.895,33.58 39.895,33.896 40.145,33.896 40.145,33.58 40.395,33.58 40.395,33.961 40.645,33.961 40.645,33.58 40.895,33.58 40.895,33.961 41.145,33.961 41.145,33.58 41.395,33.58 41.395,33.961 41.645,33.961 41.645,33.54 41.895,33.54 41.895,33.58 41.97,33.58 42.083,33.58 43.298,34.795 44.004,34.795 44.14,34.931 44.14,35.305 44.23,35.395 44.93,35.395 45.305,35.02 v2(45.31,35.02)
FT_D14: U2.A13 U7.56 | length 16.5
  InLayer2 (Signal) w0.15: v2(35.45,37.76) 35.442,37.752 35.442,36.652 36.816,35.278 37.648,35.278 39.636,33.29 40.12,33.29 40.297,33.29 40.297,32.752 40.547,32.752 40.547,33.33 40.797,33.33 40.797,32.735 41.047,32.735 41.047,33.33 41.297,33.33 41.297,32.735 41.547,32.735 41.547,33.29 41.797,33.29 41.797,33.18 42.047,33.18 42.047,33.29 42.122,33.29 42.146,33.29 43.381,34.525 43.401,34.545 44.42,34.545 44.42,35.013 44.803,35.013 v2(44.81,35.02)
FT_D15: U2.A12 U7.57 | length 16.4
  InLayer2 (Signal) w0.15: v2(35.05,38.075) 35.05,36.691 36.713,35.028 37.328,35.028 37.405,34.951 37.474,34.882 37.578,34.986 37.755,34.809 37.515,34.569 37.692,34.393 37.936,34.637 38.113,34.46 37.874,34.221 38.051,34.044 38.29,34.283 38.466,34.106 38.293,33.933 38.469,33.756 38.643,33.93 38.82,33.753 38.646,33.579 38.823,33.402 38.888,33.468 38.942,33.415 39.871,32.485 41.706,32.485 42.376,33.155 42.89,33.155 42.89,33.68 43.485,34.275 43.505,34.295 44.585,34.295 v2(44.81,34.52)
FT_D16: U2.C12 U7.60 | length 16.5
  InLayer2 (Signal) w0.15: v2(34.09,36.24) 34.794,36.24 36.702,34.332 36.755,34.279 36.927,34.451 37.104,34.274 36.932,34.102 37.108,33.925 37.28,34.097 37.457,33.92 37.285,33.748 37.462,33.572 37.62,33.729 37.796,33.552 37.639,33.395 37.783,33.25 39.076,31.958 41.886,31.958 42.583,32.655 43.39,32.655 43.39,33.473 43.692,33.775 45.065,33.775 v2(45.81,34.52)
FT_D17: U2.D6 U7.61 | length 16.5
  InLayer2 (Signal) w0.15: v2(34.35,35.835) 34.845,35.835 39.02,31.66 41.942,31.66 42.687,32.405 43.955,32.405 44.973,33.423 45.402,33.423 45.406,33.419 45.416,33.419 45.562,33.273 45.792,33.043 45.787,33.038 45.964,32.861 46.115,33.012 46.292,32.835 46.146,32.689 46.498,32.337 46.66,32.175 46.66,31.87 v2(46.31,31.52)
FT_D18: U2.C7 U7.62 | length 16.4
  InLayer2 (Signal) w0.15: v2(34,35.435) 34.891,35.435 38.926,31.4 39.022,31.4 39.097,31.4 39.097,31.41 39.347,31.41 39.347,31.285 39.597,31.285 39.597,31.41 39.847,31.41 39.847,31.285 40.097,31.285 40.097,31.41 40.347,31.41 40.347,31.285 40.597,31.285 40.597,31.41 40.847,31.41 40.847,31.285 41.097,31.285 41.097,31.41 41.347,31.41 41.347,31.285 41.597,31.285 41.597,31.41 41.847,31.41 41.847,31.4 42.035,31.4 42.123,31.488 42.353,31.718 42.417,31.654 42.593,31.831 42.53,31.895 42.708,32.073 42.79,32.155 43.033,32.155 43.033,32.137 43.283,32.137 43.283,32.155 43.533,32.155 43.533,31.842 43.783,31.842 43.783,32.155 44.097,32.155 44.107,32.165 44.586,32.645 45.185,32.645 v2(45.81,32.02)
FT_D19: U2.B7 U7.63 | length 16.6
  InLayer2 (Signal) w0.15: v2(34.35,35.035) 34.938,35.035 38.938,31.035 41.505,31.035 41.818,30.722 41.85,30.69 41.893,30.69 41.893,31.15 42.143,31.15 42.143,30.69 42.393,30.69 42.393,31.404 42.643,31.404 42.643,30.69 42.893,30.69 42.893,30.708 43.143,30.708 43.143,30.69 43.399,30.69 43.411,30.69 43.411,31.116 43.535,31.24 43.588,31.293 43.474,31.408 43.65,31.584 43.765,31.47 44.038,31.743 44.665,32.37 44.96,32.37 v2(45.31,32.02)
FT_D20: U2.A7 U7.64 | length 16.3
  InLayer2 (Signal) w0.15: v2(33.914,34.662) 33.973,34.662 34,34.635 34.984,34.635 35.948,33.671 36.001,33.618 36.178,33.442 36.02,33.284 36.197,33.107 36.355,33.265 36.531,33.088 36.374,32.93 36.55,32.753 36.708,32.911 36.885,32.734 36.727,32.577 36.904,32.4 37.062,32.558 37.238,32.381 37.081,32.223 37.258,32.046 37.415,32.204 37.592,32.027 37.434,31.87 37.611,31.693 37.769,31.851 37.946,31.674 37.79,31.518 37.967,31.342 38.122,31.497 38.545,31.075 38.835,30.785 41.401,30.785 41.746,30.44 43.71,30.44 43.71,30.976 44.466,31.732 44.522,31.732 v2(44.81,32.02)
FT_D21: U2.A6 U7.65 | length 16.5
  InLayer2 (Signal) w0.15: v2@34.35,34.24 35.026,34.24 35.673,33.593 35.673,32.921 35.692,32.902 35.745,32.849 35.923,33.027 36.1,32.851 35.922,32.672 36.098,32.496 36.277,32.674 36.453,32.497 36.275,32.319 36.452,32.142 36.63,32.32 36.807,32.144 36.629,31.965 36.805,31.788 36.984,31.967 37.16,31.79 36.982,31.612 37.159,31.435 37.337,31.613 37.514,31.436 37.315,31.238 37.492,31.061 37.667,31.236 37.844,31.059 37.689,30.905 38.059,30.535 38.489,30.535 38.595,30.535 41.297,30.535 41.659,30.174 43.96,30.174 43.96,30.872 44.57,31.482 44.772,31.482 v2(44.81,31.52)
  other v2: 34.35,34.235
FT_D22: U2.B6 U7.66 | length 16.2
  InLayer2 (Signal) w0.15: v2(33.91,33.815) 33.923,33.829 34.58,33.829 34.694,33.943 34.969,33.943 35.423,33.489 35.423,32.777 35.491,32.708 35.544,32.655 35.565,32.676 35.741,32.499 35.586,32.344 35.763,32.167 35.918,32.322 36.095,32.145 35.94,31.99 36.117,31.813 36.272,31.969 36.449,31.792 36.293,31.637 36.47,31.46 36.625,31.615 36.802,31.438 36.782,31.418 36.88,31.32 37.915,30.285 41.194,30.285 41.555,29.924 44.21,29.924 44.21,30.769 44.612,31.17 45.31,31.17 v2@45.31,31.49
  other v2: 45.31,31.52
FT_D23: U2.C6 U7.67 | length 16.5
  InLayer2 (Signal) w0.15: v2@34.309,33.464 34.309,33.426 34.711,33.024 34.711,32.607 35.297,32.021 35.555,32.021 35.596,31.98 ; 35.596,31.98 36.511,31.065 36.564,31.012 36.699,31.147 36.876,30.97 36.741,30.835 36.918,30.658 37.053,30.794 37.23,30.617 37.094,30.482 37.271,30.305 37.406,30.44 37.583,30.263 37.361,30.041 37.538,29.865 37.708,30.035 37.816,30.035 41.09,30.035 41.451,29.674 44.46,29.674 44.46,30.665 44.665,30.87 45.81,30.87 v2@45.81,31.49
  other v2: 45.81,31.52 34.3,33.435
FT_D24: U2.A3 U7.69 | length 16.5
  Top Layer w0.15: U2.A3@44.782,30.02 v2(44.81,30.02)
  InLayer2 (Signal) w0.15: v2(34.35,32.635) 34.35,32.615 35.194,31.771 35.451,31.771 37.039,30.183 37.039,29.512 37.091,29.46 37.221,29.33 37.595,29.33 37.595,29.314 37.845,29.314 37.845,29.785 38.095,29.785 38.095,29.305 38.345,29.305 38.345,29.335 38.595,29.335 38.595,29.305 38.845,29.305 38.845,29.785 39.094,29.785 39.094,29.305 39.344,29.305 39.344,29.785 39.594,29.785 39.594,29.305 39.844,29.305 39.844,29.335 40.094,29.335 40.094,29.33 40.344,29.33 40.344,29.335 40.594,29.335 40.594,29.33 40.844,29.33 40.844,29.335 41.094,29.335 41.094,29.305 41.344,29.305 41.344,29.424 41.594,29.424 41.594,29.305 41.844,29.305 41.844,29.424 42.094,29.424 42.094,29.305 42.344,29.305 42.344,29.33 42.419,29.33 44.81,29.33 v2(44.81,30.02)
FT_D25: U2.C3 U7.70 | length 16.3
  InLayer2 (Signal) w0.15: v2(33.9,32.235) 34.322,32.235 35.035,31.521 35.244,31.521 35.348,31.521 36.789,30.08 36.789,29.403 37.137,29.055 38.886,29.055 39.211,29.055 39.211,28.879 39.461,28.879 39.461,29.055 39.711,29.055 39.711,28.524 39.961,28.524 39.961,29.08 40.211,29.08 40.211,28.851 40.461,28.851 40.461,29.08 40.711,29.08 40.711,28.917 40.961,28.917 40.961,29.055 41.487,29.055 41.699,29.055 44.914,29.055 45.46,29.601 45.46,29.67 v2(45.81,30.02)
FT_D26: U2.C2 U7.71 | length 16.5
  InLayer2 (Signal) w0.15: v2@34.165,31.818 34.324,31.818 34.871,31.271 35.141,31.271 35.244,31.271 36.539,29.976 36.539,29.282 38.231,27.59 41.688,27.59 41.763,27.59 41.763,28.11 42.013,28.11 42.013,27.59 42.263,27.59 42.263,28.031 42.513,28.031 42.513,27.59 42.63,27.59 43.88,27.59 v2(45.81,29.52)
  other v2: 34.23,31.81
FT_D27: U2.D3 U7.72 | length 16.8
  Top Layer w0.15: v2(33.637,31.406) 33.654,31.423 34.238,31.423 U7.72@34.25,31.435
  InLayer2 (Signal) w0.15: v2(33.637,31.406) 33.642,31.411 34.364,31.411 34.754,31.021 35.141,31.021 35.356,30.806 36.107,30.055 36.289,29.873 36.289,29.161 38.11,27.34 44.125,27.34 46.31,29.525 v2(46.31,30.02)
FT_D28: U2.D4 U7.73 | length 16.6
  InLayer2 (Signal) w0.15: v2(34.25,31.03) 34.39,30.89 34.39,30.69 35.01,30.07 35.063,30.017 35.164,30.118 35.341,29.941 35.24,29.84 35.302,29.778 35.314,29.766 35.387,29.693 35.44,29.64 35.589,29.491 35.589,29.471 35.925,29.135 35.945,29.135 37.99,27.09 44.228,27.09 46.66,29.522 46.66,30.165 46.31,30.515 v2(46.31,30.52)
FT_D29: U2.A4 U7.74 | length 14.7
  Bottom Layer w0.15: v1(34,30.635) 34,30.38 33.65,30.03 33.65,29.675 34.61,28.715 36.506,28.715 37.805,27.415 41.626,27.415 42.59,28.379 42.59,28.713 44.397,30.52 v6(44.81,30.52)
FT_D30: U2.C4 U7.75 | length 14.8
  Bottom Layer w0.15: v1@34.346,30.154 34.346,30.062 35.178,29.23 36.698,29.23 37.998,27.93 40.406,27.93 40.586,28.094 41.598,28.094 42.09,28.586 42.09,28.92 42.272,29.102 42.543,29.374 42.348,29.568 42.525,29.745 42.72,29.55 42.95,29.78 44.29,31.12 45.21,31.12 v1(45.81,30.52)
  other v1: 34.35,30.235
FT_D31: U2.B4 U7.76 | length 14.7
  Bottom Layer w0.15: v1(34,29.82) 34.067,29.753 34.297,29.523 34.226,29.452 34.403,29.275 34.591,29.463 34.768,29.286 34.651,29.169 34.855,28.965 34.872,28.965 36.609,28.965 37.909,27.665 40.408,27.665 40.983,27.665 40.983,27.805 41.233,27.805 41.233,27.665 41.523,27.665 42.34,28.482 42.34,28.817 44.393,30.87 44.96,30.87 v1(45.31,30.52)
FT_OE: U2.A8 U7.13 | length 18
  Top Layer w0.15: U7.13@39.85,29.035 39.85,27.95 40.475,27.95 40.652,27.95 40.692,27.91 40.857,27.91 40.857,27.666 41.107,27.666 41.107,27.91 41.357,27.91 41.357,27.651 41.607,27.651 41.607,27.91 41.857,27.91 41.857,27.651 42.107,27.651 42.107,27.91 42.182,27.91 42.299,27.91 42.819,27.39 43.275,27.39 43.953,28.068 44.14,28.255 44.14,28.397 44.46,28.397 44.46,28.647 44.14,28.647 44.14,28.897 44.46,28.897 44.46,29.147 44.14,29.147 44.14,29.397 44.46,29.397 44.46,29.647 44.14,29.647 44.14,29.897 44.46,29.897 44.46,30.147 44.14,30.147 44.14,30.397 44.46,30.397 44.46,30.647 44.432,30.647 44.432,30.897 45.977,30.897 45.977,31.147 44.458,31.147 44.458,31.397 44.46,31.397 44.46,31.647 44.458,31.647 44.458,31.722 44.458,32.369 44.608,32.52 U2.A8@44.81,32.52
FT_RD: U2.C8 U7.12 | length 16.3
  Top Layer w0.15: v5(39.439,28.3) 39.445,28.305 39.445,29.03 U7.12@39.45,29.035
  InLayer3 (PWR) w0.15: v5(39.439,28.3) 39.439,28.9 41.499,28.9 41.824,28.9 41.824,28.526 42.074,28.526 42.074,28.9 42.324,28.9 42.324,28.616 42.574,28.616 42.574,28.9 43.687,28.9 44.485,28.9 44.485,29.094 44.485,29.169 43.888,29.169 43.888,29.419 45.485,29.419 45.485,29.669 44.268,29.669 44.268,29.919 44.485,29.919 44.485,30.169 44.355,30.169 44.355,30.419 44.485,30.419 44.485,30.527 44.485,32.155 44.85,32.52 v5(45.81,32.52)
FT_RST: R54.2 U2.A9 U7.15 | length 9.5
  Top Layer w0.1: v1@40.652,28.552 v1(40.655,28.55) 41.07,28.135 42.392,28.135 42.912,27.615 43.182,27.615 43.915,28.348 43.915,30.684 44.233,31.002 44.233,32.463 U2.A9@44.79,33.02
  Top Layer w0.15: U7.15@40.65,29.035 40.652,29.033 v1@40.652,28.552 ; U2.A9@44.79,33.02 U2.A9@44.81,33.02
FT_RXF: U2.A2 U7.9 | length 17.8
  Top Layer w0.15: U7.9@38.25,29.035 38.25,28.134 38.369,28.016 38.369,27.7 38.555,27.7 38.555,27.459 38.805,27.459 38.805,27.953 39.055,27.953 39.055,27.469 39.305,27.469 39.305,27.95 39.555,27.95 39.555,27.469 39.805,27.469 39.805,27.7 40.055,27.7 40.055,27.469 40.305,27.469 40.305,27.7 40.38,27.7 40.549,27.7 40.549,27.09 40.7,27.09 40.775,27.09 40.775,27.401 41.025,27.401 41.025,27.09 41.275,27.09 41.275,27.401 41.525,27.401 41.525,27.09 41.775,27.09 41.775,27.401 42.025,27.401 42.025,27.09 42.275,27.09 42.275,27.328 42.525,27.328 42.525,27.09 43.283,27.09 43.85,27.09 43.986,27.226 44.039,27.279 43.779,27.54 43.955,27.717 44.533,27.139 44.71,27.315 44.132,27.893 44.309,28.07 44.533,27.846 44.71,28.023 44.71,28.145 44.71,29.274 44.772,29.335 44.772,29.482 U2.A2@44.81,29.52